# Altium PCB PCB.PcbDoc (part 2 of 4) (continued)
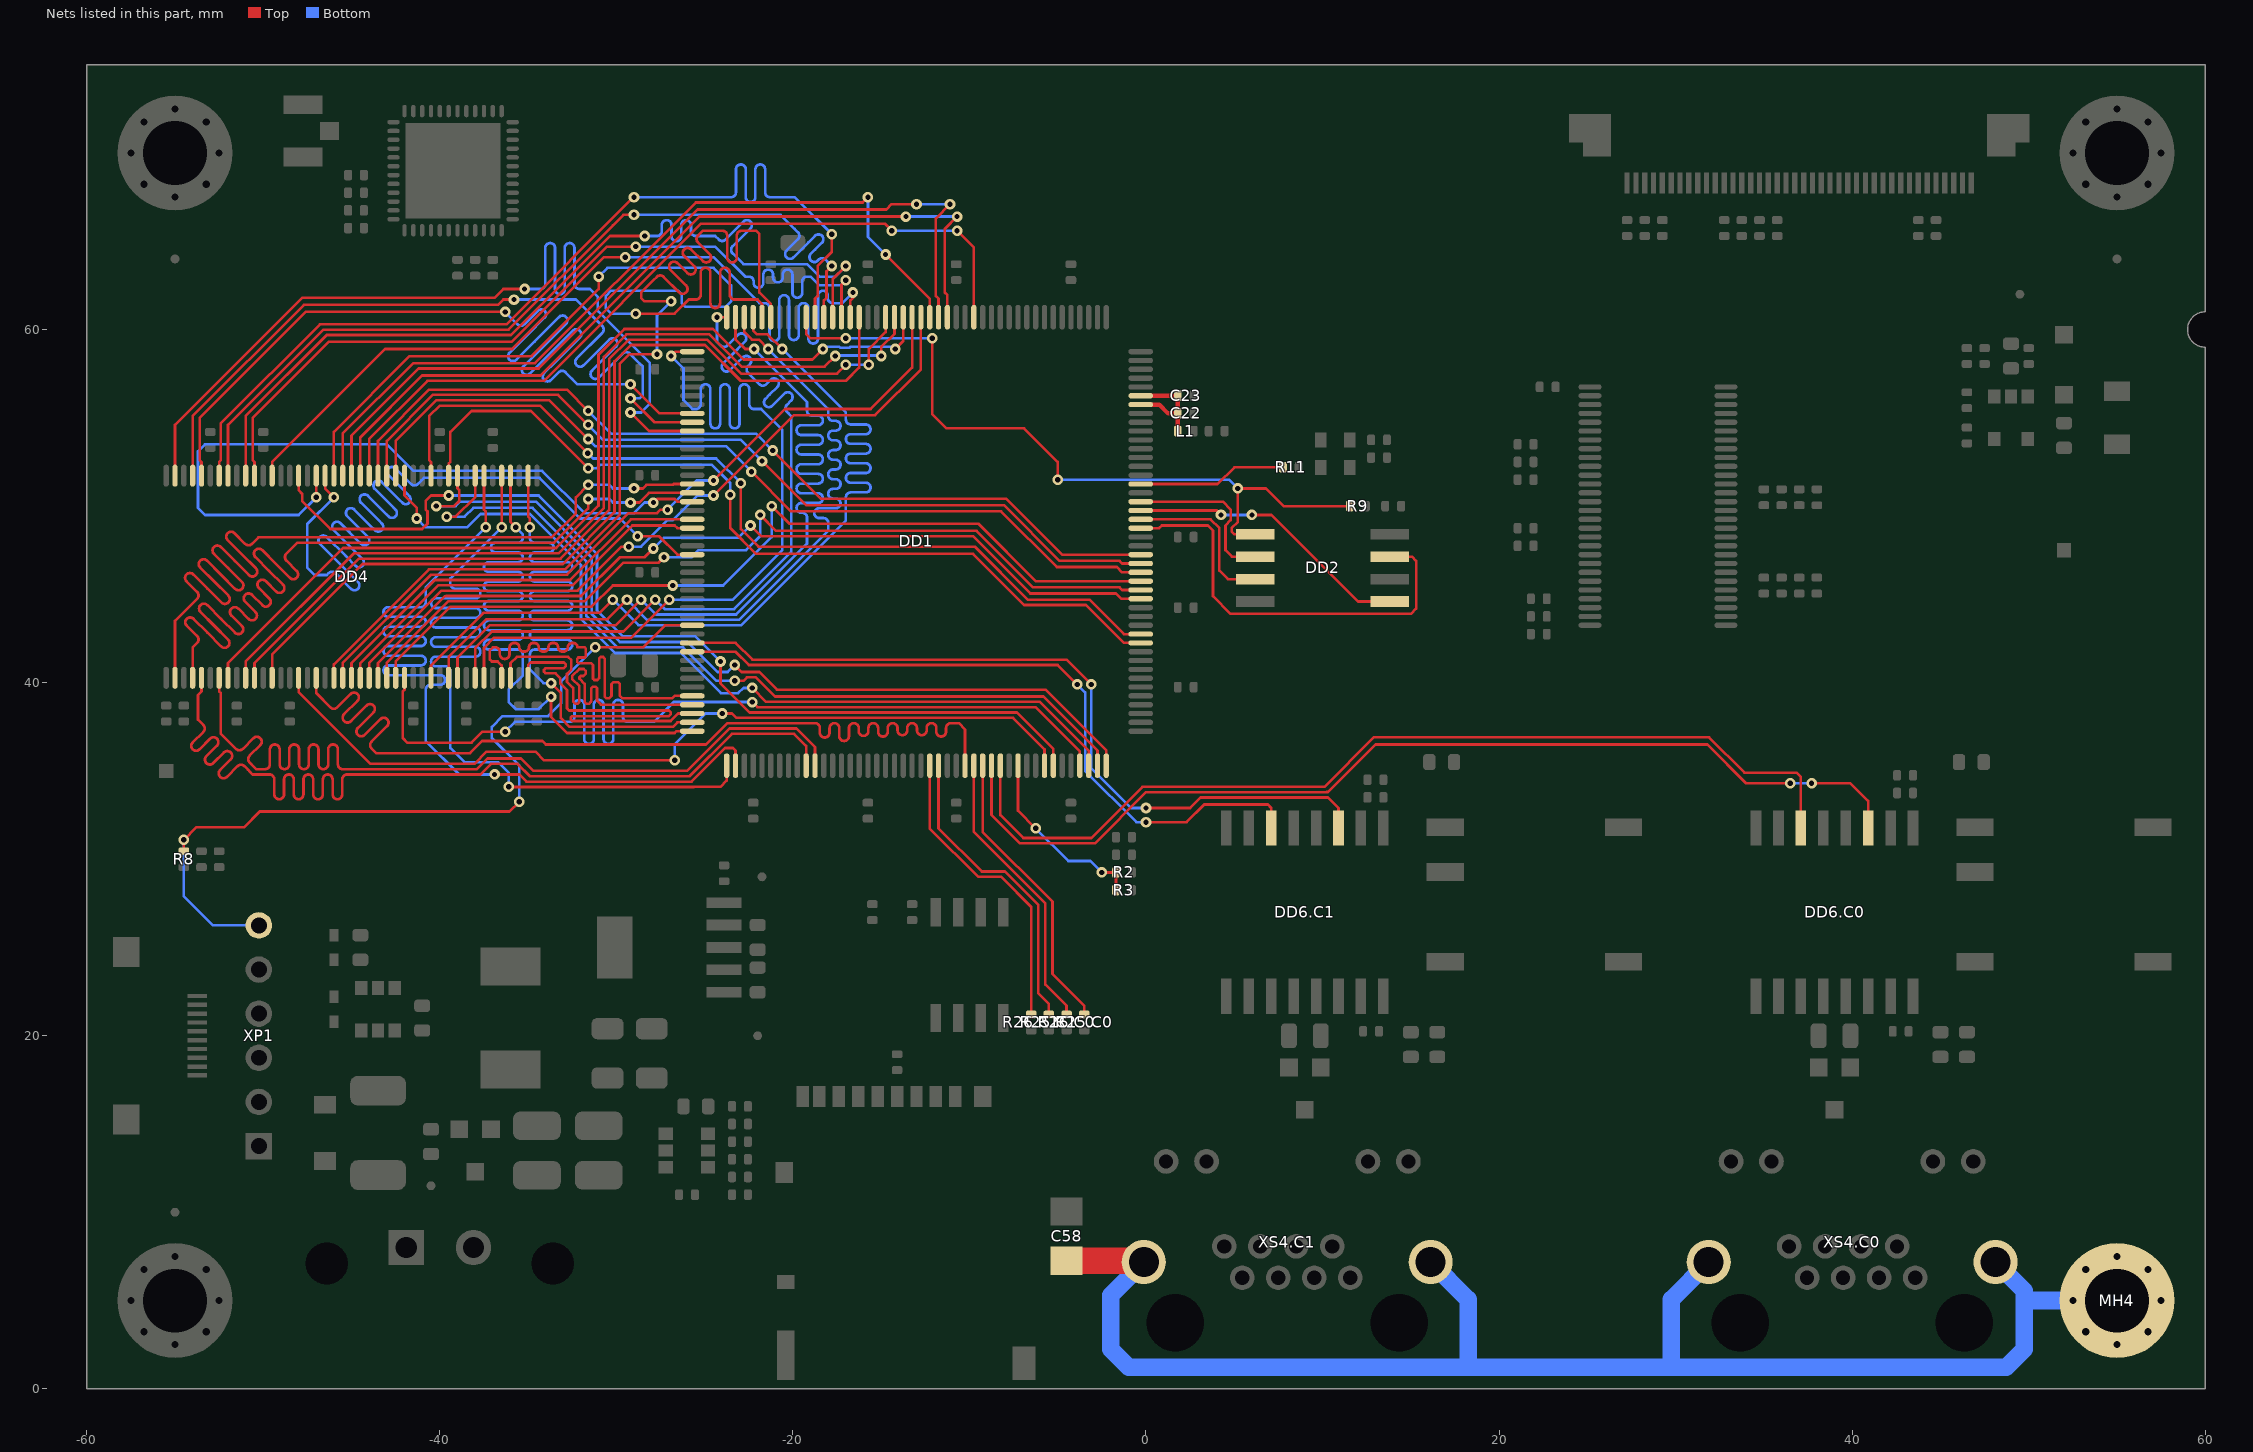
[diagram p4: the nets of this part, all layers, seen from the top]
## Nets (pads, with @x,y where several pads share a name; then routed paths per layer and width w, separated by ;. In a path a pad name is that pad's centre, name@x,y a point inside that pad or via, vN(x,y) a via of type N, cw(c..) or ccw(c..) an arc to the next point about the centre after c; other vN are vias at no path point) (continued)
DATA4: DD1.68 DD4.8 | length 54.6
  Top w0.15: DD4.8@-52,40.275 -52,41.1 -45.474,47.626 -33.412,47.626 -31.01,50.029 -31.01,58.573 -29.548,60.035 -24.535,60.035 -22.8,58.3 -18.9,58.3 v1(-18.3,58.9) ; v1(-14.2,58.9) -13.75,59.35 DD1.68@-13.75,60.7
  Bottom w0.15: v1(-18.3,58.9) -18.173,59.027 -17.382,59.027 -17.327,58.973 -16.782,58.973 -16.727,59.027 -14.327,59.027 v1(-14.2,58.9)
DATA5: DD1.69 DD4.10 | length 53.1
  Top w0.15: DD4.10@-51,40.275 -51,41.2 -44.876,47.324 -33.287,47.324 -30.707,49.903 -30.707,58.448 -29.423,59.732 -24.732,59.732 -22.9,57.9 -18.2,57.9 v1(-17.6,58.5) ; v1(-15,58.5) -15,59 -14.25,59.75 DD1.69@-14.25,60.7
  Bottom w0.15: v1(-17.6,58.5) -17.573,58.527 -15.027,58.527 v1(-15,58.5)
DATA6: DD1.70 DD4.11 | length 52.3
  Top w0.15: DD4.11@-50.5,40.275 -50.5,41.1 -44.578,47.022 -33.161,47.022 -30.405,49.778 -30.405,58.323 -29.298,59.43 -24.857,59.43 -22.928,57.5 -17.5,57.5 v1(-17,58) ; v1(-15.7,58) -15.7,58.9 -14.75,59.85 DD1.70@-14.75,60.7
  Bottom w0.15: v1(-17,58) v1(-15.7,58)
DATA7: DD1.73 DD4.13 | length 50.8
  Top w0.15: DD4.13@-49.5,40.275 -49.5,41.6 -44.381,46.719 -33.036,46.719 -30.102,49.653 -30.102,58.198 -29.173,59.127 -24.983,59.127 -22.955,57.1 -17,57.1 -16.25,57.85 DD1.73@-16.25,60.7
DATA8: DD1.74 DD4.74 | length 55
  Top w0.15: DD4.74@-49.5,51.725 -49.5,52.5 -43.1,58.9 -35.9,58.9 -30.7,64.1 v1(-29.5,64.1) ; DD1.74@-16.75,60.7 -16.75,61.65 -16.6,61.8 v1(-16.6,62.1)
  Bottom w0.15: v1(-29.5,64.1) -24.5,64.1 -21.9,61.5 -21.6,61.5 cw(c-21.6,61.225) -21.325,61.225 -21.325,59.622 ccw(c-21.05,59.622) -21.05,59.347 ccw(c-21.05,59.622) -20.775,59.622 -20.775,61.5 -20.775,61.672 cw(c-20.5,61.672) -20.5,61.947 cw(c-20.5,61.672) -20.225,61.672 -20.225,61.5 -20.225,59.677 ccw(c-19.95,59.677) -19.95,59.402 ccw(c-19.95,59.677) -19.675,59.677 -19.675,61.225 cw(c-19.4,61.225) -19.4,61.5 cw(c-19.4,61.225) -19.125,61.225 -19.125,59.484 ccw(c-18.85,59.484) -18.85,59.209 ccw(c-18.85,59.484) -18.575,59.484 -18.575,61.5 -18.575,61.923 cw(c-18.3,61.923) -18.3,62.198 cw(c-18.3,61.923) -18.025,61.923 -18.025,61.775 ccw(c-17.75,61.775) -17.75,61.5 -17.6,61.5 -17.2,61.5 v1(-16.6,62.1)
DATA9: DD1.75 DD4.76 | length 48.7
  Top w0.15: DD4.76@-50.5,51.725 -50.5,52.5 -50.6,52.6 -50.6,55 -46.3,59.3 -35.928,59.3 -30.528,64.7 v1(-28.9,64.7) ; DD1.75@-17.25,60.7 -17.25,62.55 v1(-17,62.8)
  Bottom w0.15: v1(-28.9,64.7) -24.4,64.7 -22.7,63 -22.5,63 cw(c-22.5,62.725) -22.225,62.725 -22.225,62.642 ccw(c-21.95,62.642) -21.95,62.367 ccw(c-21.95,62.642) -21.675,62.642 -21.675,63 -21.675,63.123 cw(c-21.4,63.123) -21.4,63.398 cw(c-21.4,63.123) -21.125,63.123 -21.125,63 -21.125,62.946 ccw(c-20.85,62.946) -20.85,62.671 ccw(c-20.85,62.946) -20.575,62.946 -20.575,63 -20.575,63.123 cw(c-20.3,63.123) -20.3,63.398 cw(c-20.3,63.123) -20.025,63.123 -20.025,63 -20.025,62.077 ccw(c-19.75,62.077) -19.75,61.802 ccw(c-19.75,62.077) -19.475,62.077 -19.475,62.725 cw(c-19.2,62.725) -19.2,63 -19,63 -18.5,62.5 -17.3,62.5 v1(-17,62.8)
DATA10: DD1.76 DD4.77 | length 53
  Top w0.15: DD4.77@-51,51.725 -51,55.1 -46.405,59.695 -35.977,59.695 -35.972,59.7 -35.955,59.7 -30.355,65.3 v1(-28.4,65.3) v1@-28.2,65.3 ; DD1.76@-17.75,60.7 -17.75,62.85 v1(-17,63.6)
  Bottom w0.15: v1(-28.4,65.3) -27.7,65.3 ccw(c-27.7,65.575) -27.425,65.575 -27.425,65.923 cw(c-27.15,65.923) -27.15,66.198 cw(c-27.15,65.923) -26.875,65.923 -26.875,65.3 -26.875,65.277 ccw(c-26.6,65.277) -26.6,65.002 ccw(c-26.6,65.277) -26.325,65.277 -26.325,65.3 -26.325,65.923 cw(c-26.05,65.923) -26.05,66.198 cw(c-26.05,65.923) -25.775,65.923 -25.775,65.575 ccw(c-25.5,65.575) -25.5,65.3 -25.4,65.3 -24.4,65.3 -24.2,65.1 ccw(c-24.006,65.294) -23.811,65.1 -22.794,66.117 cw(c-22.6,65.923) -22.405,66.117 cw(c-22.6,65.923) -22.405,65.728 -23.422,64.711 ccw(c-23.228,64.517) -23.422,64.322 -23.4,64.3 -22.8,63.7 -19.2,63.7 -18.5,63 -17.6,63 v1(-17,63.6)
DATA11: DD1.77 DD4.79 | length 51.2
  Top w0.15: DD4.79@-52,51.725 -52,54.6 -46.602,59.998 -36.102,59.998 -30.2,65.9 -29.6,66.5 v1(-29,66.5) ; DD1.77@-18.25,60.7 -18.25,61.65 -18.1,61.8 -18.1,63.3 v1(-17.8,63.6)
  Bottom w0.15: v1(-29,66.5) -20.7,66.5 -20.1,65.9 -19.906,65.706 -19.711,65.511 cw(c-19.906,65.317) -19.711,65.122 -20.361,64.472 ccw(c-20.167,64.277) -20.361,64.083 ccw(c-20.167,64.277) -19.973,64.083 -19.128,64.928 -18.745,65.311 cw(c-18.55,65.116) -18.356,65.311 cw(c-18.55,65.116) -18.356,64.922 -18.739,64.539 -18.981,64.297 ccw(c-18.786,64.103) -18.981,63.908 ccw(c-18.786,64.103) -18.592,63.908 -18.544,63.955 cw(c-18.35,63.761) -18.155,63.955 -18.05,63.85 v1(-17.8,63.6)
DATA12: DD1.78 DD4.80 | length 55.9
  Top w0.15: DD4.80@-52.5,51.725 -52.5,52.5 -52.4,52.6 -52.4,52.9 -52.4,54.7 -46.8,60.3 -36.228,60.3 -29.028,67.5 v1(-29,67.5) ; DD1.78@-18.75,60.7 -18.75,61.75 -18.6,61.9 -18.6,63.6 -17.8,64.4 v1(-17.8,65.4)
  Bottom w0.15: v1(-29,67.5) -23.5,67.5 ccw(c-23.5,67.775) -23.225,67.775 -23.225,69.08 cw(c-22.95,69.08) -22.95,69.355 cw(c-22.95,69.08) -22.675,69.08 -22.675,67.5 ccw(c-22.4,67.5) -22.4,67.225 ccw(c-22.4,67.5) -22.125,67.5 -22.125,69.08 cw(c-21.85,69.08) -21.85,69.355 cw(c-21.85,69.08) -21.575,69.08 -21.575,67.775 ccw(c-21.3,67.775) -21.3,67.5 -20.2,67.5 -19.9,67.5 v1(-17.8,65.4)
DATA13: DD1.96 DD4.82 | length 55.9
  Top w0.15: DD4.82@-53.5,51.725 -53.5,52.5 -53.6,52.6 -53.6,55 -47.6,61 v1(-36.3,61) ; v1(-29.2,56.9) -27.55,55.25 DD1.96@-25.7,55.25
  Bottom w0.15: v1(-36.3,61) -35.6,60.3 ccw(c-35.406,60.494) -35.211,60.3 -34.452,61.06 cw(c-34.257,60.865) -34.063,61.06 cw(c-34.257,60.865) -34.063,60.671 -35.017,59.717 -36.051,58.682 ccw(c-35.856,58.488) -36.051,58.294 ccw(c-35.856,58.488) -35.662,58.294 -34.628,59.328 -33.241,60.714 cw(c-33.047,60.52) -32.852,60.714 cw(c-33.047,60.52) -32.852,60.325 -34.239,58.939 -35.273,57.905 ccw(c-35.079,57.71) -35.273,57.516 ccw(c-35.079,57.71) -34.884,57.516 -33.85,58.55 -32.463,59.936 cw(c-32.269,59.742) -32.075,59.936 cw(c-32.269,59.742) -32.075,59.547 -33.461,58.161 -34.093,57.529 ccw(c-33.898,57.335) -34.093,57.14 ccw(c-33.898,57.335) -33.704,57.14 -33.267,57.578 cw(c-33.072,57.383) -32.878,57.578 -32.5,57.2 -32.2,56.9 v1(-29.2,56.9)
DATA14: DD1.97 DD4.83 | length 48.8
  Top w0.15: DD4.83@-54,51.725 -54,55.1 -47.7,61.4 -36.7,61.4 -36.4,61.7 v1(-35.8,61.7) ; v1(-29.2,56.1) -27.85,54.75 DD1.97@-25.7,54.75
  Bottom w0.15: v1(-35.8,61.7) -32.3,61.7 -30.8,60.2 cw(c-30.994,60.006) -30.8,59.811 -32.25,58.362 ccw(c-32.055,58.167) -32.25,57.973 ccw(c-32.055,58.167) -31.861,57.973 -30.411,59.422 cw(c-30.217,59.228) -30.022,59.422 cw(c-30.217,59.228) -30.022,59.033 -31.384,57.672 ccw(c-31.189,57.477) -31.384,57.283 ccw(c-31.189,57.477) -30.995,57.283 -29.633,58.644 cw(c-29.439,58.45) -29.244,58.644 -29.05,58.45 -28.661,58.061 -28.5,57.9 -28.5,56.3 -28.7,56.1 v1(-29.2,56.1)
DATA15: DD1.98 DD4.85 | length 52.8
  Top w0.15: DD4.85@-55,51.725 -55,54.6 -47.8,61.8 -36.9,61.8 -36.4,62.3 v1(-35.2,62.3) ; v1(-29.2,55.3) -28.15,54.25 DD1.98@-25.7,54.25
  Bottom w0.15: v1(-35.2,62.3) -34.3,62.3 ccw(c-34.3,62.575) -34.025,62.575 -34.025,64.625 cw(c-33.75,64.625) -33.75,64.9 cw(c-33.75,64.625) -33.475,64.625 -33.475,62.3 -33.475,62.277 ccw(c-33.2,62.277) -33.2,62.002 ccw(c-33.2,62.277) -32.925,62.277 -32.925,62.3 -32.925,64.625 cw(c-32.65,64.625) -32.65,64.9 cw(c-32.65,64.625) -32.375,64.625 -32.375,62.575 ccw(c-32.1,62.575) -32.1,62.3 -32,62.3 -31.5,62.3 -31.05,61.85 -31.05,61.05 -28.1,58.1 -28.1,55.8 -28.6,55.3 v1(-29.2,55.3)
DATA16: DD1.85 DD4.31 | length 52.2
  Top w0.15: DD4.31@-40.5,40.275 -40.5,40.975 -37.525,43.95 -30.95,43.95 v1(-30.2,44.7) ; DD1.85@-22.25,60.7 -22.25,59.952 -22.027,59.73 -21.43,59.73 v1(-20.6,58.9)
  Bottom w0.15: v1(-30.2,44.7) -28.752,43.252 -22.92,43.252 -17,49.172 -17,50.4 -17,50.5 cw(c-16.725,50.5) -16.725,50.775 -15.875,50.775 ccw(c-15.875,51.05) -15.6,51.05 ccw(c-15.875,51.05) -15.875,51.325 -16.725,51.325 cw(c-16.725,51.6) -17,51.6 cw(c-16.725,51.6) -16.725,51.875 -15.875,51.875 ccw(c-15.875,52.15) -15.6,52.15 ccw(c-15.875,52.15) -15.875,52.425 -16.725,52.425 cw(c-16.725,52.7) -17,52.7 cw(c-16.725,52.7) -16.725,52.975 -15.875,52.975 ccw(c-15.875,53.25) -15.6,53.25 ccw(c-15.875,53.25) -15.875,53.525 -16.725,53.525 cw(c-16.725,53.8) -17,53.8 cw(c-16.725,53.8) -16.725,54.075 -15.875,54.075 ccw(c-15.875,54.35) -15.6,54.35 ccw(c-15.875,54.35) -15.875,54.625 -16.725,54.625 cw(c-16.725,54.9) -17,54.9 -17,55.3 v1(-20.6,58.9)
DATA17: DD1.86 DD4.33 | length 46.8
  Top w0.15: DD4.33@-39.5,40.275 -39.5,41.45 -37.35,43.6 -30.5,43.6 v1(-29.4,44.7) ; DD1.86@-22.75,60.7 -22.75,59.85 -22.327,59.427 -21.927,59.427 v1(-21.4,58.9)
  Bottom w0.15: v1(-29.4,44.7) -28.255,43.555 -23.045,43.555 -18,48.6 -18,48.8 -18,49.05 ccw(c-18.275,49.05) -18.275,49.325 -18.514,49.325 cw(c-18.514,49.6) -18.789,49.6 cw(c-18.514,49.6) -18.514,49.875 -18,49.875 -17.577,49.875 ccw(c-17.577,50.15) -17.302,50.15 ccw(c-17.577,50.15) -17.577,50.425 -17.725,50.425 cw(c-17.725,50.7) -18,50.7 cw(c-17.725,50.7) -17.725,50.975 -17.577,50.975 ccw(c-17.577,51.25) -17.302,51.25 ccw(c-17.577,51.25) -17.577,51.525 -17.725,51.525 cw(c-17.725,51.8) -18,51.8 cw(c-17.725,51.8) -17.725,52.075 -17.577,52.075 ccw(c-17.577,52.35) -17.302,52.35 ccw(c-17.577,52.35) -17.577,52.625 -17.725,52.625 cw(c-17.725,52.9) -18,52.9 cw(c-17.725,52.9) -17.725,53.175 -17.577,53.175 ccw(c-17.577,53.45) -17.302,53.45 ccw(c-17.577,53.45) -17.577,53.725 -17.725,53.725 cw(c-17.725,54) -18,54 cw(c-17.725,54) -17.725,54.275 -17.577,54.275 ccw(c-17.577,54.55) -17.302,54.55 ccw(c-17.577,54.55) -17.577,54.825 -17.725,54.825 cw(c-17.725,55.1) -18,55.1 -18,55.5 v1(-21.4,58.9)
DATA18: DD1.87 DD4.34 | length 51.4
  Top w0.15: DD4.34@-39,40.275 -39,41.425 -37.175,43.25 -30.05,43.25 v1(-28.6,44.7) ; DD1.87@-23.25,60.7 -23.25,59.45 -22.7,58.9 v1(-22.2,58.9)
  Bottom w0.15: v1(-28.6,44.7) -27.757,43.857 -23.215,43.857 -19.2,47.872 -19.2,49.1 -19.2,49.35 ccw(c-19.475,49.35) -19.475,49.625 -19.52,49.625 cw(c-19.52,49.9) -19.795,49.9 cw(c-19.52,49.9) -19.52,50.175 -19.2,50.175 -18.577,50.175 ccw(c-18.577,50.45) -18.302,50.45 ccw(c-18.577,50.45) -18.577,50.725 -19.2,50.725 -19.52,50.725 cw(c-19.52,51) -19.795,51 cw(c-19.52,51) -19.52,51.275 -19.2,51.275 -18.577,51.275 ccw(c-18.577,51.55) -18.302,51.55 ccw(c-18.577,51.55) -18.577,51.825 -19.2,51.825 -19.52,51.825 cw(c-19.52,52.1) -19.795,52.1 cw(c-19.52,52.1) -19.52,52.375 -19.2,52.375 -18.577,52.375 ccw(c-18.577,52.65) -18.302,52.65 ccw(c-18.577,52.65) -18.577,52.925 -19.2,52.925 -19.52,52.925 cw(c-19.52,53.2) -19.795,53.2 cw(c-19.52,53.2) -19.52,53.475 -19.2,53.475 -18.577,53.475 ccw(c-18.577,53.75) -18.302,53.75 ccw(c-18.577,53.75) -18.577,54.025 -19.2,54.025 -19.52,54.025 cw(c-19.52,54.3) -19.795,54.3 cw(c-19.52,54.3) -19.52,54.575 -19.2,54.575 -18.577,54.575 ccw(c-18.577,54.85) -18.302,54.85 ccw(c-18.577,54.85) -18.577,55.125 -18.925,55.125 cw(c-18.925,55.4) -19.2,55.4 -19.2,55.9 v1(-22.2,58.9)
DATA19: DD1.88 DD4.36 | length 46.8
  Top w0.15: DD4.36@-38,40.275 -38,41.95 -37.05,42.9 -29.6,42.9 v1(-27.8,44.7) ; v1(-24.3,60.7) DD1.88@-23.75,60.7
  Bottom w0.15: v1(-27.8,44.7) -27.26,44.16 -23.34,44.16 -20.098,47.402 -20.098,55.098 -20.25,55.25 -20.344,55.344 cw(c-20.15,55.539) -20.344,55.733 -20.097,55.981 ccw(c-20.292,56.175) -20.097,56.369 ccw(c-20.292,56.175) -20.486,56.369 -20.928,55.928 -21.169,55.686 cw(c-21.364,55.88) -21.558,55.686 cw(c-21.364,55.88) -21.558,56.075 -21.317,56.317 -20.875,56.758 ccw(c-21.069,56.953) -20.875,57.147 ccw(c-21.069,56.953) -21.264,57.147 -21.511,56.9 cw(c-21.706,57.094) -21.9,56.9 -22.45,57.45 -22.544,57.544 cw(c-22.35,57.739) -22.544,57.933 -22.444,58.034 ccw(c-22.638,58.228) -22.444,58.423 ccw(c-22.638,58.228) -22.833,58.423 -23.128,58.128 -23.558,57.697 cw(c-23.753,57.892) -23.947,57.697 cw(c-23.753,57.892) -23.947,58.086 -23.517,58.517 -22.721,59.312 ccw(c-22.916,59.507) -22.721,59.701 ccw(c-22.916,59.507) -23.11,59.701 -23.711,59.1 cw(c-23.906,59.294) -24.1,59.1 -24.3,59.3 v1(-24.3,60.7)
DATA20: DD1.89 DD4.37 | length 49.5
  Top w0.15: DD4.37@-37.5,40.275 -37.5,41.975 -36.925,42.55 -29.15,42.55 v1(-27,44.7) ; v1(-26.9,58.5) -26.65,58.75 DD1.89@-25.7,58.75
  Bottom w0.15: v1(-27,44.7) -23.4,44.7 -20.6,47.5 -20.6,54.3 -21.8,55.5 -22,55.5 -22.2,55.5 cw(c-22.2,55.775) -22.475,55.775 -22.475,56.625 ccw(c-22.75,56.625) -22.75,56.9 ccw(c-22.75,56.625) -23.025,56.625 -23.025,55.5 -23.025,54.677 cw(c-23.3,54.677) -23.3,54.402 cw(c-23.3,54.677) -23.575,54.677 -23.575,55.5 -23.575,56.625 ccw(c-23.85,56.625) -23.85,56.9 ccw(c-23.85,56.625) -24.125,56.625 -24.125,55.5 -24.125,54.677 cw(c-24.4,54.677) -24.4,54.402 cw(c-24.4,54.677) -24.675,54.677 -24.675,55.5 -24.675,56.625 ccw(c-24.95,56.625) -24.95,56.9 ccw(c-24.95,56.625) -25.225,56.625 -25.225,55.775 cw(c-25.5,55.775) -25.5,55.5 -25.7,55.5 -26.2,56 -26.2,57.8 v1(-26.9,58.5)
DATA21: DD1.128 DD4.39 | length 24
  Top w0.15: DD4.39@-36.5,40.275 -36.5,40.975 -36.725,41.2 -37.05,41.2 -37.175,41.325 -37.175,41.825 -37,42 -36.875,42 cw(c-36.875,41.725) -36.6,41.725 -36.6,41.616 ccw(c-36.325,41.616) -36.325,41.341 ccw(c-36.325,41.616) -36.05,41.616 -36.05,42 cw(c-35.802,42) -35.802,42.248 -35.748,42.248 cw(c-35.748,42) -35.5,42 ccw(c-35.265,42) -35.265,41.765 -35.185,41.765 ccw(c-35.185,42) -34.95,42 cw(c-34.702,42) -34.702,42.248 -34.648,42.248 cw(c-34.648,42) -34.4,42 ccw(c-34.165,42) -34.165,41.765 -34.085,41.765 ccw(c-34.085,42) -33.85,42 cw(c-33.602,42) -33.602,42.248 -33.548,42.248 cw(c-33.548,42) -33.3,42 ccw(c-33.065,42) -33.065,41.765 -32.985,41.765 ccw(c-32.985,42) -32.75,42 cw(c-32.502,42) -32.502,42.248 -32.448,42.248 cw(c-32.448,42) -32.2,42 -32.025,42 -31.802,42 -31.727,41.925 -31.727,41.498 -31.8,41.425 -32.15,41.425 -32.225,41.35 -32.225,41.175 -32.15,41.1 -31.425,41.1 -31.325,41 -31.325,40.225 -31.25,40.15 -31.075,40.15 -30.975,40.25 -30.975,41.375 -30.9,41.45 -30.75,41.45 -30.65,41.35 -30.65,39.2 -30.575,39.125 -30.4,39.125 -30.275,39.25 -30.275,39.925 -30.175,40.025 -29.9,40.025 -29.8,39.925 -29.8,39.25 -29.675,39.125 -26.825,39.125 -26.7,39.25 DD1.128@-25.7,39.25
DATA22: DD1.129 DD4.40 | length 20.1
  Top w0.15: DD4.40@-36,40.275 -36,41.1 -35.638,41.463 -32.738,41.463 -32.55,41.275 -32.55,40.75 -32.8,40.5 -32.8,40.05 -32.45,39.7 -32.45,38.925 -32.325,38.8 -32.2,38.8 -32.1,38.9 -32.1,39.8 -32.5,40.2 -32.5,40.375 -32.1,40.775 -31.85,40.775 -31.725,40.65 -31.725,40.525 -31.875,40.375 -32.025,40.375 -32.1,40.3 -32.1,40.225 -31.8,39.925 -31.8,38.9 -31.7,38.8 -31.55,38.8 -31.425,38.925 -31.425,39.675 -31.325,39.775 -31.175,39.775 -31.1,39.7 -31.1,38.975 -30.875,38.75 DD1.129@-25.7,38.75
DATA23: DD1.130 DD4.42 | length 26.4
  Top w0.15: DD4.42@-35,40.275 -35,41 -34.862,41.138 -32.963,41.138 -32.875,41.05 -32.875,40.925 -32.975,40.825 -34,40.825 -34.1,40.725 -34.1,40.625 -34,40.525 -33.45,40.525 -33.173,40.248 -33.173,39.948 -32.8,39.575 -32.8,38.55 -32.675,38.425 -27.025,38.425 -26.925,38.325 -26.925,38.2 -27.025,38.1 -32.5,38.1 -32.575,38.025 -32.575,37.9 -32.5,37.825 -26.925,37.825 -26.5,38.25 DD1.130@-25.7,38.25
DATA24: DD1.131 DD4.45 | length 46.4
  Top w0.15: DD4.45@-35,51.725 -35,49.4 -34.9,49.3 v1(-34.9,48.8) ; v1(-33.7,39.975) -33.15,39.425 -33.15,38 -32.65,37.5 -26.8,37.5 -26.55,37.75 DD1.131@-25.7,37.75
  Bottom w0.15: v1(-34.9,48.8) -34.9,48.2 ccw(c-34.625,48.2) -34.625,47.925 -33.821,47.925 cw(c-33.821,47.65) -33.546,47.65 cw(c-33.821,47.65) -33.821,47.375 -34.625,47.375 ccw(c-34.625,47.1) -34.9,47.1 ccw(c-34.625,47.1) -34.625,46.825 -32.775,46.825 cw(c-32.775,46.55) -32.5,46.55 cw(c-32.775,46.55) -32.775,46.275 -34.625,46.275 ccw(c-34.625,46) -34.9,46 ccw(c-34.625,46) -34.625,45.725 -32.775,45.725 cw(c-32.775,45.45) -32.5,45.45 cw(c-32.775,45.45) -32.775,45.175 -34.625,45.175 ccw(c-34.625,44.9) -34.9,44.9 ccw(c-34.625,44.9) -34.625,44.625 -32.775,44.625 cw(c-32.775,44.35) -32.5,44.35 cw(c-32.775,44.35) -32.775,44.075 -34.625,44.075 ccw(c-34.625,43.8) -34.9,43.8 ccw(c-34.625,43.8) -34.625,43.525 -32.775,43.525 cw(c-32.775,43.25) -32.5,43.25 cw(c-32.775,43.25) -32.775,42.975 -34.625,42.975 ccw(c-34.625,42.7) -34.9,42.7 ccw(c-34.625,42.7) -34.625,42.425 -32.775,42.425 cw(c-32.775,42.15) -32.5,42.15 cw(c-32.775,42.15) -32.775,41.875 -34.625,41.875 ccw(c-34.625,41.6) -34.9,41.6 -34.9,40.75 -34.125,39.975 v1(-33.7,39.975)
DATA25: DD1.132 DD4.47 | length 48.7
  Top w0.15: DD4.47@-36,51.725 -36,49.1 v1(-35.7,48.8) ; v1(-33.7,39.2) -33.7,38.05 -32.8,37.15 -26.7,37.15 -26.6,37.25 DD1.132@-25.7,37.25
  Bottom w0.15: v1(-35.7,48.8) -35.3,48.4 -35.3,48.2 cw(c-35.575,48.2) -35.575,47.925 -36.833,47.925 ccw(c-36.833,47.65) -37.108,47.65 ccw(c-36.833,47.65) -36.833,47.375 -35.575,47.375 cw(c-35.575,47.1) -35.3,47.1 cw(c-35.575,47.1) -35.575,46.825 -37.225,46.825 ccw(c-37.225,46.55) -37.5,46.55 ccw(c-37.225,46.55) -37.225,46.275 -35.575,46.275 cw(c-35.575,46) -35.3,46 cw(c-35.575,46) -35.575,45.725 -37.225,45.725 ccw(c-37.225,45.45) -37.5,45.45 ccw(c-37.225,45.45) -37.225,45.175 -35.575,45.175 cw(c-35.575,44.9) -35.3,44.9 cw(c-35.575,44.9) -35.575,44.625 -37.225,44.625 ccw(c-37.225,44.35) -37.5,44.35 ccw(c-37.225,44.35) -37.225,44.075 -35.575,44.075 cw(c-35.575,43.8) -35.3,43.8 cw(c-35.575,43.8) -35.575,43.525 -37.225,43.525 ccw(c-37.225,43.25) -37.5,43.25 ccw(c-37.225,43.25) -37.225,42.975 -35.575,42.975 cw(c-35.575,42.7) -35.3,42.7 cw(c-35.575,42.7) -35.575,42.425 -37.225,42.425 ccw(c-37.225,42.15) -37.5,42.15 ccw(c-37.225,42.15) -37.225,41.875 -35.575,41.875 cw(c-35.575,41.6) -35.3,41.6 -35.3,40.4 -36.1,39.6 -36.1,38.9 -35.7,38.5 -34.4,38.5 v1(-33.7,39.2)
DATA26: DD1.133 DD4.48 | length 54.9
  Top w0.15: v1(-36.5,48.8) DD4.48@-36.5,51.725 ; v1@-36.1,34.093 -25.613,34.093 -25.606,34.1 -24.1,34.1 -23.75,34.45 DD1.133@-23.75,35.3
  Bottom w0.15: v1(-36.5,48.8) -39.4,45.9 -39.4,45.6 ccw(c-39.125,45.6) -39.125,45.325 -37.978,45.325 cw(c-37.978,45.05) -37.703,45.05 cw(c-37.978,45.05) -37.978,44.775 -39.4,44.775 -40.223,44.775 ccw(c-40.223,44.5) -40.498,44.5 ccw(c-40.223,44.5) -40.223,44.225 -39.4,44.225 -37.978,44.225 cw(c-37.978,43.95) -37.703,43.95 cw(c-37.978,43.95) -37.978,43.675 -39.4,43.675 -40.223,43.675 ccw(c-40.223,43.4) -40.498,43.4 ccw(c-40.223,43.4) -40.223,43.125 -39.4,43.125 -37.978,43.125 cw(c-37.978,42.85) -37.703,42.85 cw(c-37.978,42.85) -37.978,42.575 -39.4,42.575 -40.223,42.575 ccw(c-40.223,42.3) -40.498,42.3 ccw(c-40.223,42.3) -40.223,42.025 -39.4,42.025 -37.978,42.025 cw(c-37.978,41.75) -37.703,41.75 cw(c-37.978,41.75) -37.978,41.475 -39.4,41.475 -40.223,41.475 ccw(c-40.223,41.2) -40.498,41.2 ccw(c-40.223,41.2) -40.223,40.925 -39.675,40.925 cw(c-39.675,40.65) -39.4,40.65 -39.4,39.8 -39.4,36.3 -38.6,35.5 -36.7,35.5 -36.1,34.9 v1(-36.1,34.1)
DATA27: DD1.134 DD4.50 | length 55.9
  Top w0.15: DD4.50@-37.5,51.725 -37.5,49.8 -37.4,49.7 v1(-37.4,48.8) ; v1(-36.9,34.8) -35.5,34.8 -35.095,34.395 -25.739,34.395 -23.834,36.3 -23.4,36.3 -23.25,36.15 DD1.134@-23.25,35.3
  Bottom w0.15: v1(-37.4,48.8) -40.8,45.4 -40.8,45.1 -40.8,44.825 -40.8,44.55 cw(c-41.075,44.55) -41.075,44.275 -42.92,44.275 ccw(c-42.92,44) -43.195,44 ccw(c-42.92,44) -42.92,43.725 -41.075,43.725 cw(c-41.075,43.45) -40.8,43.45 cw(c-41.075,43.45) -41.075,43.175 -42.92,43.175 ccw(c-42.92,42.9) -43.195,42.9 ccw(c-42.92,42.9) -42.92,42.625 -41.075,42.625 cw(c-41.075,42.35) -40.8,42.35 cw(c-41.075,42.35) -41.075,42.075 -42.92,42.075 ccw(c-42.92,41.8) -43.195,41.8 ccw(c-42.92,41.8) -42.92,41.525 -41.075,41.525 cw(c-41.075,41.25) -40.8,41.25 cw(c-41.075,41.25) -41.075,40.975 -42.92,40.975 ccw(c-42.92,40.7) -43.195,40.7 ccw(c-42.92,40.7) -42.92,40.425 -40.8,40.425 -39.982,40.425 cw(c-39.982,40.15) -39.707,40.15 cw(c-39.982,40.15) -39.982,39.875 -40.525,39.875 ccw(c-40.525,39.6) -40.8,39.6 -40.8,39.4 -40.8,36.7 -38.9,34.8 v1(-36.9,34.8)
DATA28: DD1.175 DD4.51 | length 48.8
  Top w0.15: v1(-39.6,49.4) -39.1,49.4 -38,50.5 DD4.51@-38,51.725 ; v1(-23.3,40.1) -22.8,40.1 -22.602,40.298 -22.098,40.298 -21.017,39.217 -5.817,39.217 -2.75,36.15 DD1.175@-2.75,35.3
  Bottom w0.15: v1(-39.6,49.4) -38.6,49.4 -38.1,49.9 -34.75,49.9 -31.705,46.855 -31.705,43.777 -29.928,42 -26.228,42 -24.328,40.1 v1(-23.3,40.1)
DATA29: DD1.176 DD4.53 | length 49.8
  Top w0.15: v1(-40.2,50) -39.2,50 -38.9,50.3 -38.9,50.9 -39,51 DD4.53@-39,51.725 ; v1(-23.3,41) -22.9,40.6 -21.9,40.6 -20.9,39.6 -5.7,39.6 -2.25,36.15 DD1.176@-2.25,35.3
  Bottom w0.15: v1(-40.2,50) -39.1,50 -38.85,50.25 -34.55,50.25 -31.402,47.102 -31.402,43.902 -29.802,42.302 -25.977,42.302 -24.275,40.6 -23.7,40.6 v1(-23.3,41)
DATA30: DD1.11 DD4.54 | length 49.2
  Top w0.15: DD4.54@-39.5,51.725 -39.5,52.4 -39.4,52.5 -39.4,54.2 -38.21,55.39 -34.84,55.39 v1(-31.6,52.15) ; v1(-23.55,50.65) -23.55,48.75 -22.1,47.3 -9.8,47.3 -6.9,44.4 -3.4,44.4 -1.25,42.25 DD1.11@-0.3,42.25
  Bottom w0.15: v1(-31.6,52.15) -31.1,52.15 -30.9,52.35 -24.6,52.35 -23.55,51.3 v1(-23.55,50.65)
DATA31: DD1.12 DD4.56 | length 50.8
  Top w0.15: DD4.56@-40.5,51.725 -40.5,52.5 -40.6,52.6 -40.6,55.093 -40,55.693 -34.318,55.693 v1(-31.625,53) ; v1(-22.95,51.3) -22.95,48.7 -21.95,47.7 -9.7,47.7 -6.702,44.702 -3.202,44.702 -1.25,42.75 DD1.12@-0.3,42.75
  Bottom w0.15: v1(-31.625,53) -31.325,52.7 -24.35,52.7 v1(-22.95,51.3)
DEBUG_TX: DD1.120 R8.1 XP1.6 | length 48
  Top w0.15: R8.1@-54.5,30.45 v1(-54.5,31.1) -53.8,31.8 -51.1,31.8 -50.2,32.7 -36.05,32.7 v1(-35.5,33.25) ; v1(-31.2,42) -28.5,42 -27.25,43.25 DD1.120@-25.7,43.25
  Bottom w0.15: v1(-54.5,31.1) -54.5,27.9 -52.85,26.25 XP1.6@-50.25,26.25 ; v1(-35.5,33.25) -35.5,35.3 -37.05,36.85 -37.05,37.5 -36.45,38.1 -33.875,38.1 -33.125,38.85 -33.125,40.075 v1(-31.2,42)
DQM0: DD1.169 DD4.16 | length 48.6
  Top w0.15: DD4.16@-48,40.275 -48,39.472 -43.93,35.402 -38.042,35.402 -37.352,36.093 -34.593,36.093 -34.1,35.6 v1(-26.7,35.6) ; v1(-24,38.25) -23.45,38.25 -23.207,38.007 -7.532,38.007 -5.75,36.225 DD1.169@-5.75,35.3
  Bottom w0.15: v1(-26.7,35.6) -26.7,36.5 -24.95,38.25 v1(-24,38.25)
DQM1: DD1.170 DD4.71 | length 55.9
  Top w0.15: DD4.71@-48,51.725 -48,50.9 -47.8,50.7 -47.8,50.3 -46.2,48.7 -41,48.7 -40.7,49 -40.7,49.7 -40.8,49.8 -40.8,50.3 -40.5,50.6 v1(-39.5,50.6) ; v1(-24.1,41.2) -24.1,39.954 -22.455,38.31 -21.887,38.31 -7.31,38.31 -5.25,36.25 DD1.170@-5.25,35.3
  Bottom w0.15: v1(-39.5,50.6) -34.4,50.6 -31.1,47.3 -31.1,44.1 -29.625,42.625 -25.525,42.625 v1(-24.1,41.2)
DQM2: DD1.173 DD4.28 | length 55.9
  Top w0.15: DD4.28@-42,40.275 -42,39.6 -42.1,39.5 -42.1,36.852 -41.848,36.6 -38.2,36.6 -37.575,37.225 v1(-36.3,37.225) ; v1(-22.3,38.9) -22.012,38.612 -6.262,38.612 -3.75,36.1 DD1.173@-3.75,35.3
  Bottom w0.15: v1(-36.3,37.225) -35.75,37.775 -32.65,37.775 ccw(c-32.65,38.05) -32.375,38.05 -32.375,38.749 cw(c-32.1,38.749) -32.1,39.024 cw(c-32.1,38.749) -31.825,38.749 -31.825,37.775 -31.825,36.801 ccw(c-31.55,36.801) -31.55,36.526 ccw(c-31.55,36.801) -31.275,36.801 -31.275,37.775 -31.275,38.749 cw(c-31,38.749) -31,39.024 cw(c-31,38.749) -30.725,38.749 -30.725,37.775 -30.725,36.801 ccw(c-30.45,36.801) -30.45,36.526 ccw(c-30.45,36.801) -30.175,36.801 -30.175,37.775 -30.175,38.749 cw(c-29.9,38.749) -29.9,39.024 cw(c-29.9,38.749) -29.625,38.749 -29.625,38.05 ccw(c-29.35,38.05) -29.35,37.775 -28.55,37.775 -27.875,37.775 -26.75,38.9 v1(-22.3,38.9)
DQM3: DD1.174 DD4.59 | length 49.7
  Top w0.15: DD4.59@-42,51.725 -42,50.6 -41.3,49.9 v1(-41.3,49.3) ; v1(-22.3,39.7) -21.514,38.914 -6.014,38.914 -3.25,36.15 DD1.174@-3.25,35.3
  Bottom w0.15: v1(-41.3,49.3) -40.8,48.8 -38.45,48.8 -37.7,49.55 -34.904,49.55 -32.007,46.653 -32.007,43.607 -30.075,41.675 -26.35,41.675 -24.075,39.4 -23.1,39.4 -22.8,39.7 v1(-22.3,39.7)
EARTH: C58.2 MH4.MH XS4.C0.SH XS4.C1.SH | length 87.2
  Top w1.5: C58.2@-4.5,7.25 -0.195,7.25 XS4.C1.SH@-0.125,7.18
  Bottom w1: XS4.C1.SH@-0.125,7.18 -2,5.305 -2,2.25 -0.973,1.223 18.25,1.223 ; XS4.C1.SH@16.125,7.18 18.25,5.055 18.25,1.223 ; XS4.C0.SH@31.875,7.18 29.75,5.055 29.75,1.223 ; XS4.C0.SH@48.125,7.18 49.75,5.555 49.75,5 ; MH4.MH@55,5 49.75,5 ; 18.25,1.223 29.75,1.223 ; 29.75,1.223 48.723,1.223 49.75,2.25 49.75,5
FLASH_CS_N: DD1.79 DD2.1 R9.1 | length 42.9
  Top w0.15: DD1.79@-19.25,60.7 -19.25,59.75 -19,59.5 v1(-17,59.5) ; v1(-12.1,59.5) -12.1,55.2 -11.3,54.4 -6.9,54.4 -5,52.5 v1(-5,51.5) ; DD2.1@6.19,48.405 5.002,48.405 4.85,48.557 4.85,48.75 5.2,49.1 v1(5.2,51) 6.8,51 7.8,50 R9.1@11.55,50
  Bottom w0.15: v1(-17,59.5) v1(-12.1,59.5) ; v1(-5,51.5) 4.7,51.5 v1(5.2,51)
FLASH_IO0: DD1.26 DD2.5 | length 16.2
  Top w0.15: DD1.26@-0.3,49.75 4,49.75 v1(4.25,49.5) ; v1(6,49.5) 7.1,49.5 12.005,44.595 DD2.5@13.81,44.595
  Bottom w0.15: v1(4.25,49.5) v1(6,49.5)
FLASH_IO1: DD1.27 DD2.2 | length 9.6
  Top w0.15: DD1.27@-0.3,50.25 4.35,50.25 4.8,49.8 4.8,49.2 4.5,48.9 4.5,47.5 4.865,47.135 DD2.2@6.19,47.135
FLASH_IO2: DD1.25 DD2.3 | length 9.3
  Top w0.15: DD1.25@-0.3,49.25 3.65,49.25 4.15,48.75 4.15,46.35 4.635,45.865 DD2.3@6.19,45.865
FLASH_IO3: DD1.24 DD2.7 | length 24.3
  Top w0.15: DD1.24@-0.3,48.75 0.75,48.75 0.9,48.9 3.5,48.9 3.795,48.605 3.795,46.577 3.798,46.575 3.798,44.902 4.8,43.9 15,43.9 15.3,44.2 15.3,46.9 15.065,47.135 DD2.7@13.81,47.135